# Allegro board gps_interface_boardv49dc.brd (continued)
## Routing (per net, layer and track width the routed paths; a pad name or vN(x,y) marks a point on that pad's centre or on a via; arc(x,y) is an arc through that point) (continued)
CML_SFP_TD_P_SFP INTERFACE_SFP6: length 4.9
  TOP w0.178: R224.2 167.32,84.37 U42.11
  TOP w0.33: R224.2 168.03,84.1 168.74,84.1 169.02,84.38 C255.1
FB_2V5_1: length 2.5
  TOP w0.165: U12.3 47.05,64.54 47.61,65.1 C83.2
FB_2V5_2: length 5.6
  TOP w0.165: U101.3 47.05,46.53 47.61,47.09 C2690.2 48.97,47.09 49.4,46.66 50.75,46.66 v1(51.1,47.02)
FB_3V3_1: length 2.5
  TOP w0.165: U9.3 47.03,82.55 47.59,83.11 C64.2
FB_3V3_2: length 2.5
  TOP w0.165: U11.3 47,97.41 47.56,97.97 C75.2
FB_5V: length 9.9
  TOP w0.165: C56.2 16.17,70.33 15.61,69.77 U7.3
  TOP w0.203: C56.2 v1(18.34,70.33)
  BOTTOM w0.203: R47.1 16.42,74.46 16.45,74.43 R46.2 16.99,73.38 18.34,72.03 v1(18.34,70.33)
FB_5V5: length 7.8
  TOP w0.203: v1(6.53,44.73) 6.94,44.32 U6.32
  BOTTOM w0.165: R41.2 5.18,45.43 5.16,45.45 R36.1
  BOTTOM w0.203: v1(6.53,44.73) 5.9,44.73 5.89,44.74 R41.2 4.36,44.74 4.15,44.96 C51.2
FMC.ACLK_FROM_SFP_N: length 211.2
  TOP w0.203: 139.84,85.34 139.84,85.39 139.9,85.46 139.9,86.78 138.35,88.33 138.35,89.21 138.3,89.26 U107.11
  TOP w0.33: v1(112.05,10.16) 111.61,9.72 111.61,7.94 112.46,7.09 113.64,7.09 114.68,8.13 114.68,11.84 113.18,13.34 109.56,13.34 95.91,26.98 95.91,44.53 97.79,46.41 116.66,46.41 122.4,40.67 126.35,40.67 127.99,42.31 127.99,77.36 133.05,82.42 139.31,82.42 139.84,82.95 139.84,85.34
  BOTTOM w0.33: 169.54,6.99 169.91,6.62 169.91,4.68 169.17,3.94 114.6,3.94 111.61,6.93 111.61,9.72 v1(112.05,10.16)
FMC.ACLK_FROM_SFP_P: length 214.8
  TOP w0.203: 140.37,85.34 140.37,85.39 140.31,85.46 140.31,86.94 138.75,88.5 138.75,89.21 138.8,89.26 U107.12
  TOP w0.33: v1(110.63,10.16) 111.07,9.72 111.07,7.72 112.24,6.55 113.86,6.55 115.21,7.91 115.21,12.06 113.4,13.87 109.78,13.87 96.44,27.2 96.44,44.31 98.01,45.87 116.44,45.87 122.18,40.13 126.57,40.13 128.52,42.09 128.52,77.14 133.27,81.89 139.53,81.89 140.37,82.73 140.37,85.34
  BOTTOM w0.33: v1(110.63,10.16) 111.07,9.72 111.07,6.71 114.38,3.4 169.39,3.4 170.45,4.46 170.45,6.62 J8.C6
FMC.ACLK_REFCLK_N: length 19.8
  TOP w0.33: v1(172.09,9.18) 172.09,9.07 172.82,8.33 172.82,8.11 173.57,7.37 180.36,7.37 181.9,8.91 181.9,15.1 182.23,15.43 182.58,15.43 182.91,15.76
  BOTTOM w0.33: J8.D5 v1(172.09,9.18)
FMC.ACLK_REFCLK_P: length 17.7
  TOP w0.33: 180.37,15.76 180.7,15.43 181.04,15.43 181.37,15.1 181.37,9.13 180.14,7.9 173.79,7.9 173.35,8.33 v1(173.35,9.18)
  BOTTOM w0.33: J8.D4 v1(173.35,9.18)
FMC.ACLK_SFP_SCL: length 124.7
  TOP w0.203: J30.5 137.61,119.05 137.62,119.05 v1(137.62,118.8) ; v1(136.86,62.43) 137.29,62.87 U104.20 ; U19.20 105.14,111.29 v1(109.49,115.63)
  SIG w0.203: v1(137.62,118.8) 137.16,119.25 133.32,119.25 132.51,118.44 128.98,118.44 127.86,117.32 123.93,117.32 122.2,119.05 118.11,119.05 116.54,117.47 114.76,117.47 112.92,115.63 v1(109.49,115.63)
  BOTTOM w0.203: v1(136.86,62.43) 136.86,67.46 135.03,69.29 135.03,75.34 130.18,80.19 130.18,83.95 123.01,91.11 116.97,91.11 115.6,92.48 TP890.1 115.6,95.2 114.12,96.67 114.12,98.45 109.49,103.09 v1(109.49,115.63) 109.19,115.63 R102.1
FMC.ACLK_SFP_SDA: length 133.6
  TOP w0.203: U19.19 103.1,110.64 104.57,109.17 v1(104.57,108.97) ; v1(138.33,62.38) 137.79,62.92 U104.21 ; v1(138.41,121.87) J30.4
  SIG w0.203: v1(138.41,121.87) 134.98,125.3 132.61,125.3 130.4,127.51 113.77,127.51 107.54,121.28 107.54,111.94 v1(104.57,108.97)
  BOTTOM w0.203: v1(138.33,62.38) 138.33,61.57 138.13,61.37 135.28,61.37 134.49,62.15 134.49,74.57 133.09,75.97 133.07,75.97 129.57,79.48 129.57,83.52 122.81,90.27 116.48,90.27 112.5,94.26 TP880.1 112.5,98.45 104.57,106.38 v1(104.57,108.97) 105.57,109.97 R103.1
FMC.ACLK_SFP_TX_DIS: length 286.7
  TOP w0.203: U52.20 193.84,14.42 192.66,15.6 v1(192.66,29.49) ; J30.3 v1(139.21,118.82)
  SIG w0.203: v1(192.66,29.49) 188.06,29.49 183.85,33.71 183.85,42.57 181.51,44.91 113.46,44.91 97.56,60.81 97.56,70.76 96.67,71.65 94.41,71.65 91.8,74.27 71.78,74.27 67.79,78.26 67.79,81.74 71.68,85.62 91.62,85.62 104.62,98.63 104.65,98.63 109.47,103.45 109.47,113.39 108.71,114.15 108.71,117.58 109.47,118.34 109.47,120.45 114.91,125.88 130.23,125.88 132.31,123.8 132.31,122.12 134.62,119.81 138.25,119.81 139.21,118.85 v1(139.21,118.82)
FMC.ACLK_TO_SFP_N: length 165.2
  TOP w0.33: v1(188.73,35.08) 188.29,34.64 188.29,15.72 183.69,11.13 183.69,4.96 181.78,3.05 175.96,3.05 174.99,4.01 174.99,5.07 174.62,5.44 v1(174.62,6.06) ; J30.19 140.41,110.59 140.28,110.46 140.28,108.41 139.37,107.5 139.37,101.19 142.97,97.59 150.32,97.59 152.43,95.48 152.43,50.91 v1(152.87,50.47)
  SIG w0.203: v1(152.87,50.47) 152.36,49.97 152.36,49.31 153.24,48.44 182.96,48.44 188.23,43.17 188.23,35.58 v1(188.73,35.08)
  BOTTOM w0.33: J8.C3 v1(174.62,6.06)
FMC.ACLK_TO_SFP_P: length 163.5
  TOP w0.33: J30.18 139.61,110.59 139.75,110.46 139.75,108.63 138.84,107.72 138.84,100.97 142.75,97.05 150.1,97.05 151.89,95.26 151.89,50.91 v1(151.45,50.47) ; v1(175.9,6.06) 175.9,5.44 175.53,5.07 175.53,4.23 176.18,3.58 181.56,3.58 183.16,5.18 183.16,11.35 187.76,15.94 187.76,34.64 v1(187.32,35.08)
  SIG w0.203: v1(151.45,50.47) 151.96,49.97 151.96,49.15 153.07,48.03 182.79,48.03 187.82,43 187.82,35.58 v1(187.32,35.08)
  BOTTOM w0.33: J8.C2 v1(175.9,6.06)
FMC.AUXOUT0_N: length 164.8
  TOP w0.33: v1(158.12,11.14) 158.12,11.76 158.48,12.13 158.48,13.43 157.2,14.71 157.2,33.83 172.69,49.33 254.1,49.33 258.7,44.73 276.35,44.73 280.44,48.82 280.44,53.42 281.66,54.64 P2.7
  BOTTOM w0.33: J8.G16 v1(158.12,11.14)
FMC.AUXOUT0_P: length 162.2
  TOP w0.33: v1(159.38,11.14) 159.38,11.76 159.02,12.13 159.02,13.65 157.73,14.94 157.73,33.61 172.92,48.79 253.88,48.79 258.48,44.2 276.57,44.2 280.97,48.6 280.97,52.68 281.31,53.01 P2.8
  BOTTOM w0.33: 159.38,12.06 v1(159.38,11.14)
FMC.AUXOUT1_N: length 164.3
  TOP w0.33: v1(154.31,11.14) 154.31,11.76 154.67,12.13 154.67,13.43 153.39,14.71 153.39,35.73 168.56,50.9 254.91,50.9 259.18,46.63 273.05,46.63 275.44,49.02 275.44,53.73 276.58,54.88 P2.11
  BOTTOM w0.33: J8.G19 v1(154.31,11.14)
FMC.AUXOUT1_P: length 161.7
  TOP w0.33: v1(155.57,11.14) 155.57,11.76 155.21,12.13 155.21,13.65 153.92,14.94 153.92,35.51 168.78,50.37 254.69,50.37 258.96,46.1 273.27,46.1 275.97,48.8 275.97,52.68 276.3,53.01 P2.12
  BOTTOM w0.33: J8.G18 v1(155.57,11.14)
FMC.AUXOUT2_N: length 162.7
  TOP w0.33: P2.15 271.5,54.81 270.28,53.59 270.28,49.78 269.01,48.51 259.99,48.51 255.85,52.65 165.99,52.65 149.58,36.25 149.58,14.46 150.86,13.18 150.86,12.13 150.5,11.76 v1(150.5,11.14)
  BOTTOM w0.33: J8.G22 v1(150.5,11.14)
FMC.AUXOUT2_P: length 160.5
  TOP w0.33: v1(151.76,11.14) 151.76,11.76 151.4,12.13 151.4,13.4 150.11,14.68 150.11,36.02 166.21,52.12 255.63,52.12 259.77,47.98 269.23,47.98 270.81,49.56 270.81,52.93 271.14,53.26 271.25,53.26 P2.16
  BOTTOM w0.33: 151.76,12.06 v1(151.76,11.14)
FMC.AUXOUT3_N: length 155.6
  TOP w0.33: P2.19 266.42,54.88 266.03,54.48 164.16,54.48 145.87,36.2 145.87,14.13 147.05,12.95 147.05,12.13 146.69,11.76 v1(146.69,11.14)
  BOTTOM w0.33: J8.G25 v1(146.69,11.14)
FMC.AUXOUT3_P: length 154.6
  TOP w0.33: P2.20 266.42,53.62 266.09,53.95 164.38,53.95 146.41,35.97 146.41,14.35 147.59,13.17 147.59,12.13 147.96,11.76 v1(147.96,11.14)
  BOTTOM w0.33: J8.G24 v1(147.96,11.14)
FMC.CLK_FILTER_A: length 122.5
  TOP w0.203: U1.1 81.71,134.37 91.16,134.37 93.57,131.95 v1(93.57,120.78) ; v1(101.63,42.29) 101.63,35.48 102.64,34.47 U18.16
  BOTTOM w0.203: v1(101.63,42.29) 92.23,42.29 91.39,43.12 91.39,102.32 93.57,104.5 v1(93.57,120.78)
FMC.CLK_FILTER_B: length 141.4
  TOP w0.203: v1(92.76,119.48) 92.79,119.46 93.98,119.46 95.07,120.55 95.07,132.21 91.59,135.69 83.92,135.69 79.91,139.7 77.9,139.7 77.37,139.17 77.37,134.49 77.87,133.99 U1.6 ; v1(104.49,41.06) 103.76,40.33 103.76,38.99 104.49,38.26 U18.14
  BOTTOM w0.203: v1(104.49,41.06) 91.84,41.06 90.74,42.16 90.74,103.16 92.76,105.18 v1(92.76,119.48)
FMC.CLK_FROM_FPGA_N: length 153.7
  TOP w0.33: v1(98.64,53.54) 98.2,53.98 98.2,63.22 98.83,63.86 98.83,71.84 100.2,73.2 102.45,73.2 102.75,72.9 C2736.1 ; v1(177.46,44.1) 177.85,43.71 177.85,41.99 164.82,28.96 164.82,14.4 166.1,13.12 166.1,12.13 165.74,11.76 v1(165.74,11.14)
  SIG w0.203: v1(98.64,53.54) 98.13,53.04 98.13,47.43 101.9,43.66 172.95,43.66 174.12,42.49 177.32,42.49 177.95,43.13 177.95,43.3 177.96,43.31 177.96,43.6 v1(177.46,44.1)
  BOTTOM w0.33: J8.G10 v1(165.74,11.14)
FMC.CLK_FROM_FPGA_P: length 156.1
  TOP w0.33: C2735.1 102.75,74.04 102.45,73.74 99.97,73.74 98.3,72.06 98.3,64.08 97.66,63.44 97.66,53.98 v1(97.22,53.54) ; v1(167,11.14) 167,11.76 166.64,12.13 166.64,13.34 165.35,14.62 165.35,28.74 178.38,41.77 178.38,43.71 178.78,44.1 v1(178.87,44.1)
  SIG w0.203: v1(97.22,53.54) 97.73,53.04 97.73,47.27 101.74,43.26 172.78,43.26 173.95,42.09 177.49,42.09 178.36,42.96 178.36,43.13 178.37,43.14 178.37,43.6 v1(178.87,44.1)
  BOTTOM w0.33: J8.G9 v1(167,11.14)
FMC.CLK_GEN_INTR*: length 51.4
  TOP w0.203: v1(105.99,78.36) 106.22,78.13 U48.12 ; U17.4 113.28,37.54 113.69,37.95 113.69,39.07 v1(113.28,39.47)
  BOTTOM w0.203: v1(105.99,78.36) 105.99,71.6 111.58,66.01 111.58,41.17 v1(113.28,39.47)
FMC.CLK_GEN_LOL*: length 85.4
  TOP w0.203: v1(125.35,83.74) 125.02,83.41 122.43,83.41 122.15,83.13 U48.47 ; U17.5 v1(112.63,38.25)
  SIG w0.203: v1(105.02,64.07) 101.4,67.69 101.4,79.71 104.09,82.4 121.23,82.4 122.25,83.41 125.02,83.41 v1(125.35,83.74)
  BOTTOM w0.203: v1(112.63,38.25) 109.47,41.41 109.47,49.3 105.51,53.26 105.51,57.35 101.8,61.06 101.8,62.82 Q1.1 v1(105.02,64.07)
FMC.CLK_GEN_RST*: length 76.6
  TOP w0.203: v1(104.98,81.13) U48.6 ; v1(98.96,43.74) 104.7,43.74 106.55,41.88 106.55,40.08 105.69,39.22 105.69,37.26 105.79,37.17 U18.12
  BOTTOM w0.203: v1(104.98,81.13) 94.77,81.13 92.1,78.46 92.1,44.4 92.76,43.74 v1(98.96,43.74)
FMC.CLK_TO_FPGA_N: length 129
  TOP w0.203: U48.44 120.26,81.63 120.28,81.62 121.26,81.62 122.11,80.76 125.6,80.76 125.66,80.7
  TOP w0.33: 125.66,80.7 126.54,79.81 126.54,56.63 124.21,54.3 124.21,42.55 v1(123.85,42.19) ; v1(175.48,30.4) 175.92,29.96 175.92,12.67 174.62,11.37 v1(174.62,11.04)
  SIG w0.203: v1(123.85,42.19) 124.28,41.75 124.28,40.41 125.73,38.96 172.67,38.96 175.98,35.65 175.98,30.91 v1(175.48,30.4)
  BOTTOM w0.33: J8.G3 v1(174.62,11.04)
FMC.CLK_TO_FPGA_P: length 129.6
  TOP w0.203: 125.94,81.17 122.28,81.17 121.3,82.15 120.28,82.15 120.26,82.13 U48.45
  TOP w0.33: v1(125.12,42.19) 124.74,42.57 124.74,54.08 127.08,56.41 127.08,80.04 125.94,81.17 ; v1(176.89,30.4) 176.45,29.96 176.45,12.45 175.9,11.89 v1(175.9,11.04)
  SIG w0.203: v1(176.89,30.4) 176.39,30.91 176.39,35.82 172.84,39.37 125.9,39.37 124.69,40.58 124.69,41.75 v1(125.12,42.19)
  BOTTOM w0.33: J8.G2 v1(175.9,11.04)
FMC.DATA_TO_FF_N0: length 162.1
  TOP w0.178: U22.3 279.66,83.77 279.64,83.76 278.68,83.76
  TOP w0.33: v1(276.91,64.9) 276.47,64.47 276,64.47 275.36,65.11 275.36,82.05 277.07,83.76 278.68,83.76
  BOTTOM w0.33: v1(276.91,64.9) 276.47,64.47 268.13,64.47 241.64,37.97 180.39,37.97 168.64,26.23 168.64,13.7 J8.H8
FMC.DATA_TO_FF_N1: length 156.1
  TOP w0.178: 256.6,83.86 257.57,83.86 257.59,83.87 U26.3
  TOP w0.33: 256.6,83.86 255,83.86 254.36,83.22 254.36,79.28 252.58,77.5 252.58,70.35 256.89,66.04 261.66,66.04 v1(262.1,66.48)
  BOTTOM w0.33: v1(262.1,66.48) 261.66,66.04 260.2,66.04 234.75,40.59 179.73,40.59 164.83,25.69 164.83,13.7 J8.H11
FMC.DATA_TO_FF_N2: length 134.8
  TOP w0.178: U30.3 235.28,83.87 235.27,83.86 234.3,83.86
  TOP w0.33: v1(235.69,57.77) 235.25,57.33 233.25,57.33 230.89,59.69 230.89,82.05 232.69,83.86 234.3,83.86
  BOTTOM w0.33: v1(235.69,57.77) 235.25,57.33 232.44,57.33 218.14,43.03 178.34,43.03 161.02,25.71 161.02,13.7 J8.H14
FMC.DATA_TO_FF_N3: length 114.2
  TOP w0.178: 205.09,83.86 206.06,83.86 206.07,83.87 U34.3
  TOP w0.33: 205.09,83.86 203.48,83.86 202.84,83.22 202.84,80.57 198.37,76.1 198.37,60.66 201.88,57.15 206.34,57.15 v1(206.78,57.59)
  BOTTOM w0.33: v1(206.78,57.59) 206.34,57.15 200.66,57.15 193.55,50.04 181.36,50.04 157.21,25.89 157.21,13.7 J8.H17
FMC.DATA_TO_FF_N4: length 106.3
  TOP w0.178: U38.3 183.77,83.87 183.76,83.86 182.79,83.86
  TOP w0.33: 182.79,83.86 181.18,83.86 179.15,81.82 179.15,64.76 186.78,57.12 192.7,57.12 v1(193.14,57.56)
  BOTTOM w0.33: v1(193.14,57.56) 192.7,57.12 184.63,57.12 153.4,25.9 153.4,13.7 J8.H20
FMC.DATA_TO_FF_N5: length 113.1
  TOP w0.178: U42.3 161.65,83.87 161.63,83.86 160.67,83.86
  TOP w0.33: 160.67,83.86 159.06,83.86 156.82,81.62 156.82,61.1 160.72,57.2 180.89,57.2 v1(181.33,57.64)
  BOTTOM w0.33: J8.H23 149.59,13.7 149.59,29.47 177.33,57.2 180.89,57.2 v1(181.33,57.64)
FMC.DATA_TO_FF_P0: length 163
  TOP w0.178: 278.68,84.29 279.64,84.29 279.66,84.27 U22.2
  TOP w0.33: 278.68,84.29 276.85,84.29 274.83,82.27 274.83,64.89 275.78,63.93 276.47,63.93 v1(276.91,63.49)
  BOTTOM w0.33: 169.54,13.34 169.18,13.7 169.18,26 180.61,37.44 241.86,37.44 268.35,63.93 276.47,63.93 v1(276.91,63.49)
FMC.DATA_TO_FF_P1: length 157
  TOP w0.178: 256.6,84.39 257.57,84.39 257.59,84.37 U26.2
  TOP w0.33: v1(262.1,65.07) 261.66,65.51 256.67,65.51 252.04,70.13 252.04,77.72 253.82,79.5 253.82,83.44 254.77,84.39 256.6,84.39
  BOTTOM w0.33: J8.H10 165.37,13.7 165.37,25.47 179.95,40.06 234.97,40.06 260.42,65.51 261.66,65.51 v1(262.1,65.07)
FMC.DATA_TO_FF_P2: length 135.7
  TOP w0.178: 234.3,84.39 235.27,84.39 235.28,84.37 U30.2
  TOP w0.33: 234.3,84.39 232.47,84.39 230.35,82.27 230.35,59.47 233.03,56.79 235.25,56.79 v1(235.69,56.35)
  BOTTOM w0.33: v1(235.69,56.35) 235.25,56.79 232.66,56.79 218.36,42.49 178.56,42.49 161.56,25.49 161.56,13.7 J8.H13
FMC.DATA_TO_FF_P3: length 115.1
  TOP w0.178: U34.2 206.07,84.37 206.06,84.39 205.09,84.39
  TOP w0.33: v1(206.78,56.18) 206.34,56.62 201.66,56.62 197.84,60.43 197.84,76.32 202.31,80.79 202.31,83.44 203.26,84.39 205.09,84.39
  BOTTOM w0.33: J8.H16 157.75,13.7 157.75,25.67 181.58,49.5 193.77,49.5 200.88,56.62 206.34,56.62 v1(206.78,56.18)
FMC.DATA_TO_FF_P4: length 107.2
  TOP w0.178: 182.79,84.39 183.76,84.39 183.77,84.37 U38.2
  TOP w0.33: v1(193.14,56.15) 192.7,56.59 186.56,56.59 178.61,64.54 178.61,82.04 180.96,84.39 182.79,84.39
  BOTTOM w0.33: J8.H19 153.94,13.7 153.94,25.67 184.85,56.59 192.7,56.59 v1(193.14,56.15)
FMC.DATA_TO_FF_P5: length 114
  TOP w0.178: U42.2 161.65,84.37 161.63,84.39 160.67,84.39
  TOP w0.33: v1(181.33,56.23) 180.89,56.67 160.5,56.67 156.29,60.88 156.29,81.84 158.84,84.39 160.67,84.39
  BOTTOM w0.33: v1(181.33,56.23) 180.89,56.67 177.55,56.67 150.13,29.25 150.13,13.7 J8.H22
FMC.FPGA_CLK_FILTER_A: length 91.9
  TOP w0.203: v1(100.97,24.82) 100.97,27.97 101.57,28.57 U18.1
  SIG w0.203: v1(160.66,6.06) 161.14,5.58 161.14,3.25 158.75,0.86 105.71,0.86 100.97,5.61 v1(100.97,24.82)
  BOTTOM w0.33: J8.C14 v1(160.66,6.06)
FMC.FPGA_CLK_FILTER_B: length 85.2
  TOP w0.203: v1(103.59,23.77) 104.49,24.67 U18.3
  SIG w0.203: v1(159.38,6.06) 159.44,6.01 159.44,4.62 156.31,1.5 106.63,1.5 104.93,3.2 104.93,11.2 103.59,12.54 v1(103.59,23.77)
  BOTTOM w0.33: 159.38,6.99 v1(159.38,6.06)
FMC.FPGA_CLK_GEN_INTR*: length 49.1
  TOP w0.203: v1(144.15,6.06) 142.71,7.49 126.36,7.49 123.9,9.96 123.9,16.51 117.53,22.89 113.66,22.89 112.45,24.1 112.45,27.03 113.28,27.87 U17.11
  BOTTOM w0.33: J8.C27 v1(144.15,6.06)
FMC.FPGA_CLK_GEN_LOL*: length 74.3
  TOP w0.203: U17.10 112.63,28.14 111.73,27.24 111.73,23.72 v1(110.98,22.96)
  SIG w0.203: v1(110.98,22.96) 110.98,14.83 113.11,12.7 120.29,12.7 125.86,7.14 134.21,7.14 134.54,6.81 138.81,6.81 138.84,6.83 155.27,6.83 155.57,7.14 164.66,7.14 v1(165.74,6.06)
  BOTTOM w0.33: J8.C10 v1(165.74,6.06)
FMC.FPGA_CLK_GEN_RST*: length 57.8
  TOP w0.203: v1(145.41,6.06) 145.41,5.56 144.98,5.13 144.07,5.13 142.19,7.01 125.83,7.01 123.27,9.58 123.27,15.6 119,19.86 108.86,19.86 105.79,22.94 U18.5
  BOTTOM w0.33: J8.C26 v1(145.41,6.06)
FMC.FPGA_GPS_CLK_EN*: length 85.9
  TOP w0.203: U18.4 v1(105.14,20.24)
  SIG w0.203: v1(105.14,20.24) 105.14,14.14 107.34,11.94 107.34,4.98 110.21,2.11 152.63,2.11 157.23,6.71 163.82,6.71 v1(164.47,6.06)
  BOTTOM w0.33: J8.C11 v1(164.47,6.06)
FMC.FPGA_I2C_EXT_INT0*: length 71.7
  TOP w0.203: v1(114.76,25.3) 114.22,25.83 114.22,26.97 114.58,27.33 U17.13
  SIG w0.203: v1(160.66,9.18) 160.67,9.18 161.42,9.93 161.42,10.72 160.91,11.23 160.91,11.73 160.32,12.32 153.85,12.32 153.64,12.12 153.64,10.29 154.18,9.75 154.18,8.61 153.59,8.03 137.08,8.03 135.69,9.42 135.69,12.57 134.77,13.49 134.77,18.26 133.78,19.25 127.2,19.25 126.21,20.24 122.63,20.24 121.41,21.46 121.41,23.02 119.13,25.3 v1(114.76,25.3)
  BOTTOM w0.33: J8.D14 v1(160.66,9.18)
FMC.FPGA_I2C_EXT_INT1*: length 68
  TOP w0.203: U17.12 113.93,27.6 113.31,26.98 v1(113.31,25.3)
  SIG w0.203: v1(159.38,9.18) 159.38,10.06 160.12,10.79 160.12,11.61 159.82,11.91 157.28,11.91 154.58,9.22 154.58,8.48 153.72,7.62 138.48,7.62 138.46,7.59 136.7,7.59 135.05,9.25 135.05,12.22 133.99,13.28 131.75,13.28 130.43,14.61 130.43,15.7 128.57,17.55 122.38,17.55 120.4,19.53 120.4,22.24 118.12,24.51 114.1,24.51 v1(113.31,25.3)
  BOTTOM w0.33: 159.38,8.26 v1(159.38,9.18)
FMC.FPGA_I2C_EXT_RST*: length 74.1
  TOP w0.203: U18.6 106.44,23.74 v1(108,22.17)
  SIG w0.203: v1(155.57,6.06) 152.24,2.72 111.84,2.72 108,6.55 v1(108,22.17)
  BOTTOM w0.33: J8.C18 v1(155.57,6.06)
FMC.FPGA_I2C_SW_RST*: length 66.5
  TOP w0.203: v1(108.69,25.5) 107.29,25.5 107.09,25.7 U18.7
  SIG w0.203: v1(108.69,25.5) 110.32,25.5 112.92,22.91 112.92,16.22 116.03,13.11 120.8,13.11 126.36,7.54 134.34,7.54 134.67,7.21 154.99,7.21 155.45,7.67 156.34,7.67 156.84,8.18 v1(156.84,9.18)
  BOTTOM w0.33: J8.D17 v1(156.84,9.18)
FMC.FPGA_IO_VOLTAGE: length 98.6
  TOP w0.17: v1(86.46,5.97) 86.46,5.38 86.44,5.36 R78.1
  TOP w0.203: v1(86.46,5.97) 86.46,9.25 85.84,9.87 Q11.1 ; U15.6 U15.1 89.14,5.05 88.82,5.36 87.76,5.36 87.27,4.87 R78.1
  TOP w0.305: 127.64,15.82 129.07,17.26 C105.1 129.07,21.04 129.06,21.05 C107.1 C106.1
  TOP w0.33: v1(127.64,14.26) 127.64,15.82
  SIG w0.203: v1(86.46,5.97) 86.82,6.32 94.87,6.32 96.85,8.31 96.85,24.82 100.1,28.07 111.15,28.07 111.79,27.43 111.79,25.32 113.74,23.37 115.93,23.37 118.95,20.35 118.95,16.36 124.17,11.14 v1(128.91,11.14)
  BOTTOM w0.33: v1(127.64,14.26) J8.H40 J8.G39 v1(128.91,11.14)
FMC.GPS_CLK_COPY_N: length 296.5
  TOP w0.203: U1.9 79.84,130.35 79.79,130.3 79.79,129.48 78.28,127.97 78.28,126.85 v1(78.72,126.41)
  TOP w0.33: v1(169.54,11.14) 169.54,11.76 169.91,12.13 169.91,13.83 168.63,15.11 168.63,17.96 171.04,20.37 171.04,24.05 v1(170.6,24.49)
  BOTTOM w0.33: 169.54,12.06 v1(169.54,11.14) ; v1(78.72,126.41) 78.72,125.79 78.35,125.42 78.35,124.75 77.7,124.1 71.45,124.1 68.55,121.21 68.55,3.61 69.93,2.24 180.59,2.24 181.74,3.38 181.74,17.36 180.5,18.59 173.26,18.59 171.04,20.81 171.04,24.05 v1(170.6,24.49)
FMC.GPS_CLK_COPY_P: length 298.3
  TOP w0.203: v1(77.44,126.41) 77.88,126.85 77.88,128.14 79.38,129.65 79.38,130.3 79.34,130.35 U1.8
  TOP w0.33: v1(170.81,11.14) 170.81,11.76 170.45,12.13 170.45,14.05 169.16,15.33 169.16,17.74 171.58,20.15 171.58,24.05 v1(172.02,24.49)
  BOTTOM w0.33: v1(172.02,24.49) 171.58,24.05 171.58,21.03 173.48,19.13 180.72,19.13 182.27,17.58 182.27,3.16 180.81,1.7 69.71,1.7 68.02,3.39 68.02,121.43 71.23,124.64 77.48,124.64 77.81,124.97 77.81,125.42 77.44,125.79 v1(77.44,126.41) ; J8.G6 v1(170.81,11.14)
FMC.GPS_CLK_EN*: length 120.7
  TOP w0.203: U1.12 81.34,130.14 81.76,129.72 R1.1 82.32,129.71 v1(82.32,128.6) ; v1(105.13,39.83) 105.13,39.63 105.14,39.63 U18.13
  BOTTOM w0.203: v1(105.13,39.83) 91.57,39.83 89.9,41.5 89.9,103.89 92.02,106.02 92.02,117.76 90.42,119.36 90.42,123.67 89.69,124.41 82.52,124.41 82.32,124.61 v1(82.32,128.6)
FMC.GPS_IRIGB: length 287.7
  TOP w0.17: v1(61.93,126.85) 63.13,128.06 U47.7
  SIG w0.203: v1(155.57,9.18) 155.57,9.35 156.11,9.88 157.2,9.88 157.58,9.5 157.58,8.48 158.37,7.7 164.36,7.7 165.43,8.76 165.43,10.11 164.57,10.97 164.57,12.47 164.13,12.9 153.47,12.9 153.09,12.52 153.09,10.21 153.77,9.53 153.77,8.81 153.37,8.41 137.46,8.41 136.25,9.63 136.25,13.23 135.48,14 135.48,21.01 133.73,22.76 123.7,22.76 121.97,24.49 121.97,25.63 118.52,29.08 95.91,29.08 94.44,30.56 94.44,69.82 91.59,72.67 52.63,72.67 51.41,71.45 34.39,71.45 30.91,74.93 30.91,82.22 31.88,83.19 31.88,102.79 55.93,126.85 v1(61.93,126.85)
  BOTTOM w0.33: J8.D18 v1(155.57,9.18)
FMC.GPS_PPS_N: length 266.7
  TOP w0.33: R14.1 14.36,126.5 R12.2 16.43,126.08 16.43,119.64 24.09,111.99 54.59,111.99 86.23,80.35 86.23,22.94 108.51,0.66 166.95,0.66 170.48,4.19 170.48,8.8 174.98,13.29 174.98,15.89 174.24,16.64 173.1,16.64 172.45,15.99 172.45,15.25 172.09,14.88 v1(172.09,14.26)
  BOTTOM w0.33: J8.H5 v1(172.09,14.26)
FMC.GPS_PPS_P: length 263.2
  TOP w0.33: v1(173.35,14.26) 173.35,14.88 172.99,15.25 172.99,15.77 173.32,16.1 174.02,16.1 174.45,15.67 174.45,13.51 169.95,9.02 169.95,4.41 166.73,1.19 108.73,1.19 86.77,23.16 86.77,80.57 54.81,112.52 24.31,112.52 16.97,119.86 16.97,126.09 R11.2 19.08,126.5 R13.1
  BOTTOM w0.33: J8.H4 v1(173.35,14.26)
FMC.GPS_SYNC_OUT_N: length 211.3
  TOP w0.33: v1(151.76,9.18) 152.77,10.19 154.09,10.19 154.76,9.52 154.76,4.17 153.69,3.1 111.12,3.1 104.5,9.73 104.5,13.06 88.01,29.54 88.01,81.14 54.97,114.17 49.33,114.17 41.91,121.6 41.91,126.08 R16.2 39.78,126.5 R18.1
  BOTTOM w0.33: 151.76,8.26 v1(151.76,9.18)
FMC.GPS_SYNC_OUT_P: length 207.2
  TOP w0.33: v1(153.03,9.18) 153.03,9.32 153.37,9.65 153.87,9.65 154.23,9.3 154.23,4.39 153.47,3.63 111.35,3.63 105.03,9.95 105.03,13.28 88.54,29.76 88.54,81.36 55.19,114.71 49.56,114.71 42.44,121.82 42.44,126.04 R15.2 44.38,126.5 44.56,126.5 R17.1
  BOTTOM w0.33: J8.D20 v1(153.03,9.18)
FMC.I2C_EXT_INT0*: length 122.2
  TOP w0.203: v1(128.6,33.48) 116.81,33.48 116.59,33.26 114.8,33.26 114.58,33.48 U17.2 ; v1(221.82,10.08) 221.82,10.58 221.82,10.58 U53.1
  SIG w0.203: v1(128.6,33.48) 159.82,33.48 172.59,20.7 183.21,20.7 187.15,16.76 198.83,16.76 201.42,14.17 217.73,14.17 v1(221.82,10.08)
  BOTTOM w0.203: R251.1 221.16,9.42 v1(221.82,10.08)
FMC.I2C_EXT_INT1*: length 106.1
  TOP w0.203: U52.1 v1(205.59,10.39) ; v1(128.6,32.38) 114.76,32.38 113.93,33.21 U17.3
  SIG w0.203: v1(205.59,10.39) 203.66,10.39 198.38,15.67 186.7,15.67 182.76,19.61 172.14,19.61 159.37,32.38 v1(128.6,32.38)
  BOTTOM w0.203: R252.1 205.82,9.12 205.59,9.35 v1(205.59,10.39)
FMC.I2C_EXT_RST*: length 141.6
  TOP w0.203: U18.11 106.44,33.19 107.21,32.41 112.95,32.41 114.1,31.27 v1(128.6,31.27) ; U52.3 206.92,13.12 207.01,13.03 207.49,13.03 v1(207.65,12.88) ; U53.3 220.23,13.24 v1(220.2,13.27)
  SIG w0.203: v1(207.65,12.88) 207.65,10.29 206.81,9.45 201.68,9.45 199.31,11.81 199.31,13.16 197.92,14.55 186.23,14.55 182.3,18.49 171.68,18.49 158.9,31.27 v1(128.6,31.27)
  BOTTOM w0.203: v1(207.65,12.88) 207.65,10.46 207.47,10.29 R246.1 208.37,8.42 208.44,8.34 R245.1 219.38,12.45 v1(220.2,13.27)
FMC.PG_1V8: length 406.7
  TOP w0.203: U102.6 95.02,90.68 94.82,90.47 v1(94.82,90.42)
  SIG w0.343: v1(94.82,90.42) 94.82,89.71 93.9,88.8 87.48,88.8 75.97,100.3 75.97,118.59 78.69,121.31 92.08,121.31 98.91,128.14 98.91,136.22 113.06,150.37 293.27,150.37 295.43,148.21 295.43,129.44 302.29,122.58 302.29,63.6 298.68,59.99 288.75,59.99 285.47,56.72 285.47,54.28 P2.4
  BOTTOM w0.203: v1(94.82,90.42) 94.82,96.27 96.11,97.56 96.11,98.88 96.5,99.27 Q7.1 97.21,100.61 97.22,100.62 R38.1
FMC.PWR_GOOD: length 188
  SIG w0.33: P2.3 289.47,58.28 295.16,58.28 299.36,54.08 299.36,36.09 295.35,32.08 295.35,6.02 290.88,1.55 183.87,1.55 v1(179.25,6.17)
  BOTTOM w0.33: 177.16,8.26 v1(179.25,6.17)
FMC.RECOV_ACLK_CLK_N: length 80.9
  TOP w0.203: 142.08,67.82 142.04,67.86 142.04,67.95 141.39,68.6 140.82,68.6 140.78,68.56 U104.25
  TOP w0.33: 142.08,67.82 142.29,67.61
  TOP w0.343: v1(99.77,86.48) 100.13,86.84 101.28,86.84 102.49,85.64 103.31,85.64 103.6,85.34 C2738.1 ; 142.29,67.61 143.42,67.61 144.51,66.52 146.3,66.52 v1(146.69,66.13)
  BOTTOM w0.343: v1(146.69,66.13) 146.32,66.51 145.35,66.51 144.55,65.71 144.55,63.87 140.37,59.69 130.29,59.69 123.33,66.65 112.23,66.65 107.15,71.73 107.15,81.19 101.51,86.83 100.74,86.83 100.39,86.48 v1(99.77,86.48)
FMC.RECOV_ACLK_CLK_P: length 80.8
  TOP w0.203: U104.26 140.78,69.06 140.82,69.01 141.56,69.01 142.33,68.24 142.42,68.24 142.46,68.2
  TOP w0.33: 142.58,68.16 142.5,68.16 142.46,68.2
  TOP w0.343: v1(99.77,87.76) 100.14,87.39 101.51,87.39 102.72,86.18 103.3,86.18 103.6,86.49 C2737.1 ; 142.58,68.16 143.64,68.16 144.73,67.07 146.24,67.07 v1(146.69,67.52)
  BOTTOM w0.343: v1(99.77,87.76) 100.39,87.76 100.77,87.38 101.74,87.38 107.7,81.42 107.7,71.96 112.46,67.2 123.56,67.2 130.52,60.24 140.14,60.24 144.01,64.1 144.01,65.94 145.13,67.06 146.23,67.06 v1(146.69,67.52)
FMC.RECOV_ACLK_DATA_N: length 180.9
  TOP w0.203: U104.28 140.78,70.06 140.82,70.1 143.14,70.1 143.21,70.04 143.26,70.04
  TOP w0.33: v1(150.11,69.6) 149.67,70.04 143.26,70.04 ; v1(103.13,11.12) 102.69,10.68 102.69,9.93 110.16,2.46 166.5,2.46 168.35,4.32 168.35,5.51 166.73,7.14 163.27,7.14 161.9,8.51 161.9,11.11 v1(161.93,11.14)
  BOTTOM w0.33: v1(103.13,11.12) 102.69,11.56 102.69,19.86 106.6,23.77 119.04,23.77 124.36,29.09 124.36,33.69 148.11,57.44 148.11,69.71 148.44,70.04 149.67,70.04 v1(150.11,69.6) ; J8.G13 v1(161.93,11.14)
FMC.RECOV_ACLK_DATA_P: length 183.8
  TOP w0.203: 143.26,70.57 143.21,70.57 143.14,70.51 140.82,70.51 140.78,70.56 U104.29
  TOP w0.33: v1(163.19,11.14) 163.19,10.54 162.43,9.78 162.43,8.73 163.49,7.67 166.95,7.67 168.88,5.73 168.88,4.1 166.72,1.93 109.94,1.93 102.16,9.71 102.16,10.68 v1(101.72,11.12) ; 143.26,70.57 149.67,70.57 v1(150.11,71.01)
  BOTTOM w0.33: J8.G12 v1(163.19,11.14) ; v1(101.72,11.12) 102.16,11.56 102.16,20.08 106.38,24.31 118.82,24.31 123.83,29.31 123.83,33.91 147.57,57.66 147.57,69.93 148.22,70.57 149.67,70.57 v1(150.11,71.01)
FMC.RECOV_DATA_N0: length 247.1
  TOP w0.33: J13.12 282.08,110.64 282.22,110.51 282.22,108.19 282.63,107.78 282.63,105.11 v1(282.19,104.67)
  SIG w0.203: v1(282.19,104.67) 282.69,104.17 282.69,99.96 286.4,96.25 297.28,96.25 297.48,96.05 TP56.1
  BOTTOM w0.33: v1(282.19,104.67) 282.63,104.23 282.63,96.65 292.89,86.39 292.89,74.04 287.22,68.38 258.96,68.38 250.83,60.25 176.98,60.25 145.78,29.05 145.78,13.7 J8.H26
FMC.RECOV_DATA_N1: length 208.2
  TOP w0.33: J14.12 260.01,110.59 260.14,110.46 260.14,108.14 260.55,107.73 260.55,105.06 v1(260.11,104.62)
  SIG w0.203: v1(260.11,104.62) 260.58,104.16 260.58,101.02 265.34,96.25 273.38,96.25 273.58,96.05 TP57.1
  BOTTOM w0.33: v1(260.11,104.62) 260.55,104.18 260.55,96.01 254.05,89.51 247.75,89.51 245.54,91.72 235.1,91.72 230.68,87.3 218.82,87.3 215.7,90.42 204.11,90.42 198.07,84.38 198.07,75.23 185.34,62.51 176.19,62.51 141.97,28.29 141.97,13.7 141.6,13.34
